# KiCad board s100_ColorMagic-1.1-006.kicad_pcb (continued)
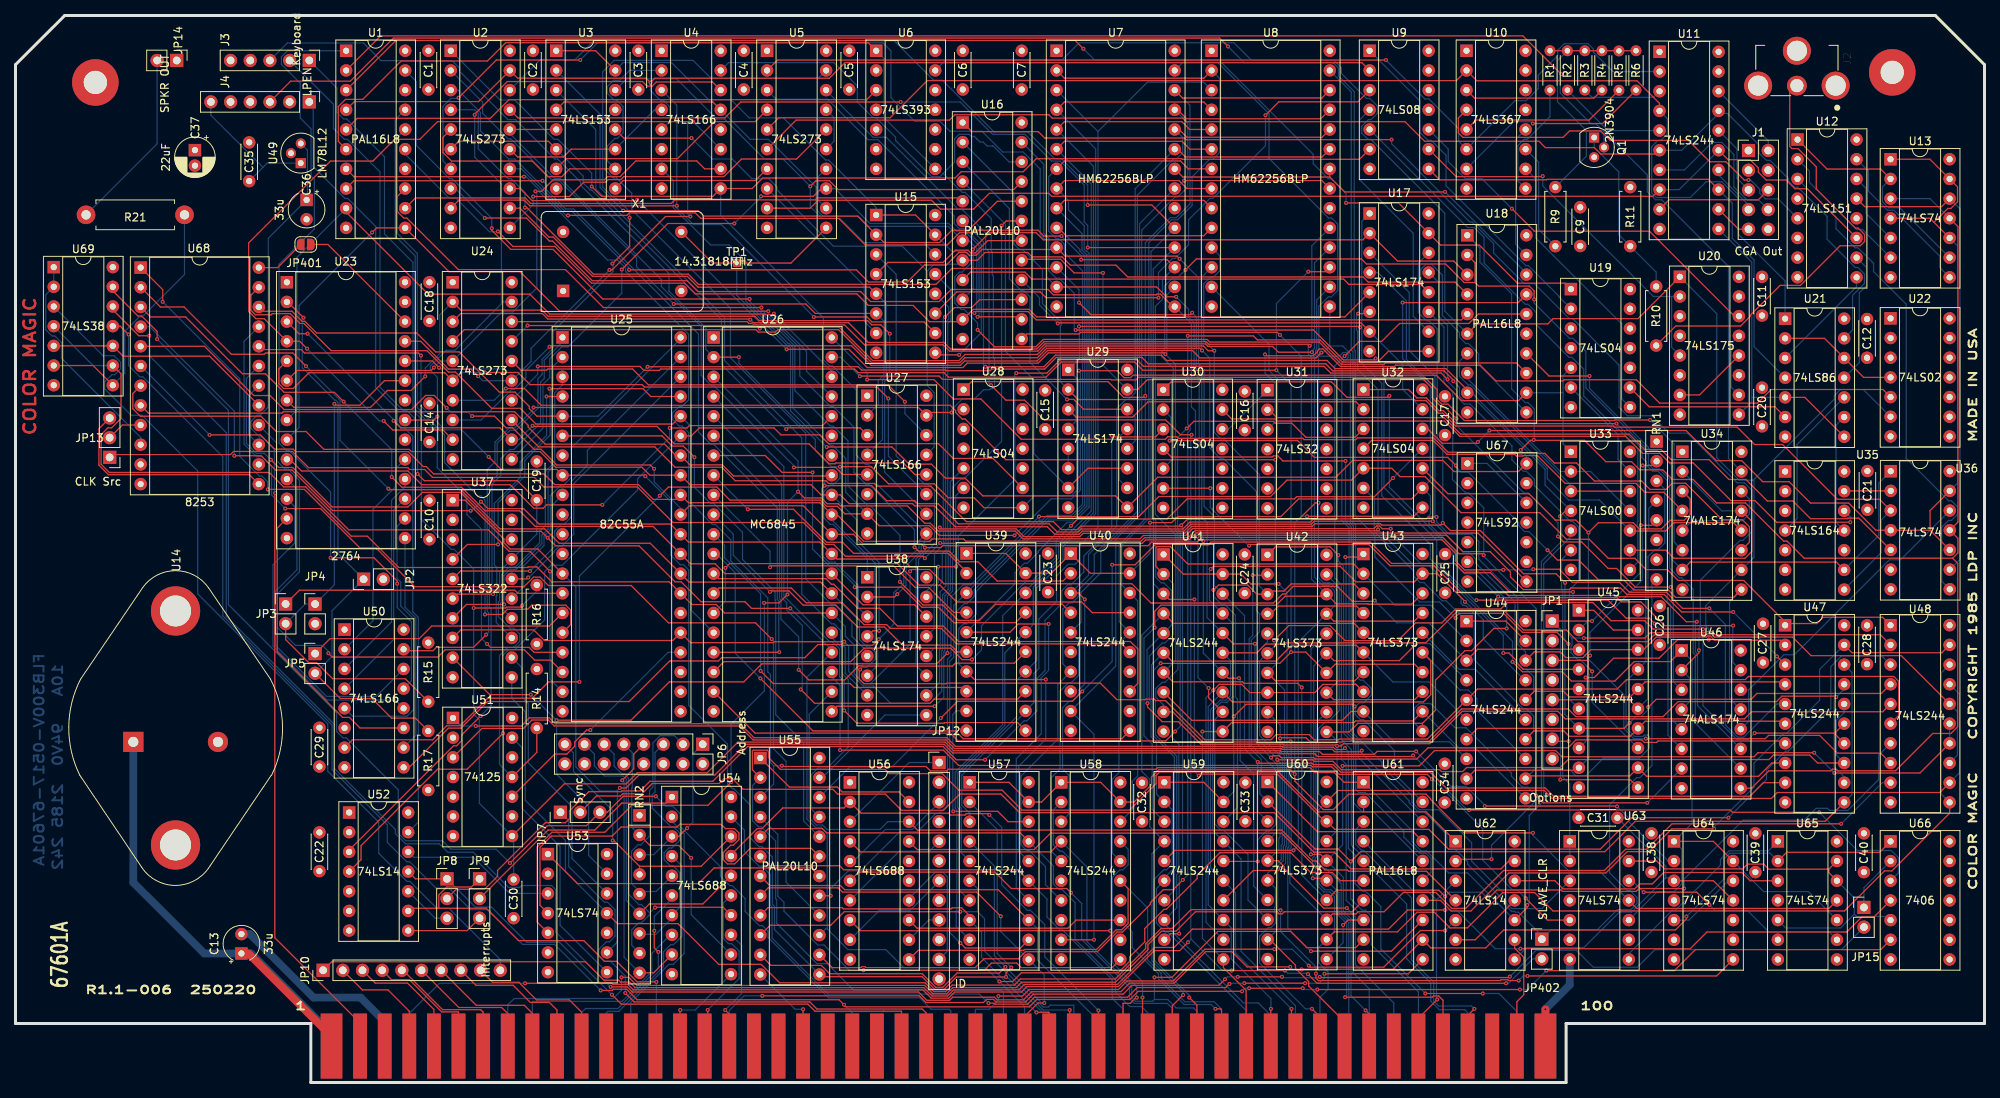
[diagram p0: board, top side]
## Routing (per net, layer and track width the routed paths; a pad name or vN(x,y) marks a point on that pad's centre or on a via; arc(x,y) is an arc through that point) (continued)
MD8: length 256.7
  Component w0.152: 134.3,107.51 124.67,107.51 123.93,106.77 123.06,106.77 122.7,107.12 121.71,107.12 120.09,105.51 117.24,105.51 115.05,103.31 110.03,103.31 108.47,104.88 v1(79.16,104.88) ; 134.3,107.51 134.55,107.51 135.41,106.65 149.83,106.65 v1(150.17,106.31) ; 134.3,107.51 U7.11 ; U47.9 225.48,38.69 223.73,36.94 198.4,36.94 197.33,38.01 184.54,38.01 182.5,40.05 170.96,40.05 169.99,41.03 167.42,41.03 167.24,41.21 160.41,41.21 v1(160.24,41.38)
  Copper w0.152: v1(150.17,106.31) 152.6,103.87 152.6,92.7 153.32,91.98 153.32,74.37 154.66,73.03 154.66,64.14 U41.18 158.54,60.25 158.54,43.08 v1(160.24,41.38) 160.23,41.37 160.23,35 161.53,33.71 ; U2.3 57.1,128.07 59.97,125.2 59.97,122.83 63.61,119.19 64.42,119.19 68.09,115.51 68.09,115.21 70.85,112.46 71.8,112.46 79.16,105.1 v1(79.16,104.88)
MD9: length 256.2
  Component w0.152: v1(161.95,41.93) 162.2,42.17 163.01,42.17 163.26,41.93 167.45,41.93 167.64,41.74 180.75,41.74 182.22,43.2 200.29,43.2 201.31,44.22 209.8,44.22 210.13,43.89 211.7,43.89 211.88,44.08 227.98,44.08 U47.7 ; v1(137.19,100.65) 138.75,99.09 151.53,99.09 v1(151.79,99.35) ; v1(159.88,56.62) 157.1,56.62 U41.16 ; v1(65.72,112.92) 65.95,112.92 74.55,104.32 86.78,104.32 88.09,103.01 118.74,103.01 120.79,105.06 134.14,105.06 U7.12
  Copper w0.152: U41.16 153.72,60 153.72,72.24 153.03,72.93 153.03,91.48 152.32,92.18 152.32,98.81 v1(151.79,99.35) ; U60.4 162.83,32.48 162.83,40.95 161.95,41.83 v1(161.95,41.93) 159.88,44 v1(159.88,56.62) ; U2.4 59.24,125.53 59.69,125.08 59.69,120.5 63.54,116.64 63.93,116.64 65.72,114.86 v1(65.72,112.92) ; v1(137.19,100.65) 137.19,102.33 U7.12
MD10: length 310.5
  Component w0.152: U7.13 147.2,102.67 148.47,101.41 v1(149.72,101.41) ; v1(57.15,127.09) 62.03,131.96 v1(72.85,131.96) ; v1(191.93,66.16) 191.93,66.16 186.91,66.16 185.79,67.28 185.79,68.26 184.01,70.05 153.4,70.05 v1(153.23,69.87) ; v1(195.79,66.24) 199.14,66.24 200.82,64.56 206.91,64.56 208.2,63.27 212.96,63.27 215.04,61.19 v1(218.5,61.19) ; v1(157.83,52.17) 156.46,52.17 U41.14
  Copper w0.152: v1(157.83,52.17) 157.98,52.02 157.98,41.54 159.72,39.8 159.72,25.35 161.53,23.55 ; U2.7 55.14,118.93 55.14,125.98 56.16,127 57.07,127 v1(57.15,127.09) ; U47.5 227.23,48.85 222.93,44.56 222.16,44.56 220.57,46.15 220.57,59.12 v1(218.5,61.19) ; v1(191.93,66.16) 195.71,66.16 v1(195.79,66.24) ; U41.14 153.23,55.4 v1(153.23,69.87) 153.23,70.37 152.7,70.91 152.7,90.93 152.04,91.59 152.04,98.05 151.32,98.78 151.32,99.81 v1(149.72,101.41) ; v1(72.85,131.96) 75.06,134.17 111.9,134.17 112.93,133.14 112.93,127.11 115.98,124.06 119.25,124.06 120.54,122.77 124.67,122.77 127.35,120.09 129.99,120.09 132.19,117.88 132.19,109.43 133.01,108.6 133.01,103.96 U7.13
MD11: length 269.5
  Component w0.152: v1(60.55,111.56) 65.91,111.56 68.88,108.59 69.28,108.59 74.4,103.48 86.63,103.48 88.03,102.08 109.02,102.08 110.31,100.79 119.14,100.79 120.7,102.35 133.21,102.35 133.9,101.66 147.14,101.66 147.23,101.75 147.69,101.75 149.3,100.14 U7.15 ; v1(221.58,60.73) 214.93,60.73 212.69,62.98 207.89,62.98 207.06,63.81 200.61,63.81 200.42,63.62 194.5,63.62 192.85,65.26 192.85,65.88 190.21,68.52 186.69,68.52 184.59,70.62 152.65,70.62 v1(152.49,70.46) ; U47.3 v1(227.22,54.99) ; U41.12 153.91,49.65 v1(153.91,50.9)
  Copper w0.152: v1(60.55,111.56) 56.74,115.38 U2.8 ; v1(153.91,50.9) 152.53,52.27 152.53,70.42 v1(152.49,70.46) 152.22,70.74 152.22,86.66 151.68,87.19 151.68,97.99 U7.15 ; v1(221.58,60.73) 227.22,55.08 v1(227.22,54.99) ; U41.12 154.71,46.83 154.71,33.35 155.54,32.53 155.89,32.53 158.99,29.43 158.99,23.54 U60.8
MD12: length 277.8
  Component w0.152: U2.13 65.09,115.38 66.65,113.82 80.11,113.82 v1(80.19,113.9) ; U41.9 149.28,47.84 153.17,43.95 164.4,43.95 v1(164.48,44.03) ; v1(148.34,94) 148.16,94.17 133.24,94.17 131.9,92.84 122.77,92.84 122.2,92.27 109.87,92.27 107.52,94.62 v1(99.47,94.62) ; v1(235.51,33.39) 213.7,33.39 210.41,30.1 207.7,30.1 204.97,27.37 191.96,27.37 187.07,22.48 185.26,22.48 183.22,24.52 179.03,24.52 176.55,22.04 173.2,22.04 172.92,21.76 169.89,21.76 U60.13
  Copper w0.152: v1(164.48,44.03) 164.56,43.95 164.56,30.3 164.4,30.15 164.4,25.75 U60.13 ; v1(235.51,33.39) 240.82,38.69 U48.9 ; U41.9 148.1,48.72 147.09,49.72 147.09,50.82 147.92,51.65 148.29,51.65 149.95,53.31 149.95,70.95 149.63,71.28 149.63,92.7 v1(148.34,94) 148.53,94.18 148.53,101.66 U7.16 ; v1(99.47,94.62) v1(80.19,113.9)
MD13: length 281.2
  Component w0.152: U41.7 149.3,51.71 158.29,51.71 158.48,51.52 165.4,51.52 v1(165.94,50.98) ; v1(184.41,24.01) 183.61,24.82 170.41,24.82 169.15,23.55 ; v1(134.93,109.24) 132.66,109.24 131.9,110 123.65,110 123.32,109.67 121.78,109.67 120.2,108.09 109.62,108.09 106.2,111.52 88.41,111.52 87.69,112.23 79.19,112.23 78.86,111.9 v1(71.27,111.9) ; v1(215.26,25.03) 209.43,25.03 209.06,24.66 199.56,24.66 199.38,24.84 191.1,24.84 v1(189.97,23.71) ; U7.17 148.57,106.19 v1(137.47,106.19)
  Copper w0.152: U2.14 65.26,117.92 67.81,115.36 67.81,115.09 71,111.9 v1(71.27,111.9) ; U41.7 149.67,54.49 149.67,70.7 147.04,73.32 147.04,100.18 147.96,101.1 147.96,103.64 U7.17 ; v1(137.47,106.19) 137.47,106.69 v1(134.93,109.24) ; v1(189.97,23.71) 189.12,24.56 184.96,24.56 v1(184.41,24.01) ; U48.7 240.34,42.24 240.34,39.1 236.36,35.12 234.02,35.12 233.75,35.39 232.27,35.39 230.76,33.87 222.87,33.87 215.26,26.26 v1(215.26,25.03) ; v1(165.94,50.98) 165.94,26.76 169.15,23.55
MD14: length 276
  Component w0.152: v1(146.03,48.95) 146.03,48.47 147.93,46.56 150.02,46.56 152.92,43.66 163.51,43.66 163.61,43.56 170.35,43.56 v1(170.49,43.43) 171.01,43.43 171.31,43.73 182.45,43.73 186.63,47.91 198.95,47.91 199.94,46.93 223.03,46.93 223.96,47.85 240.87,47.85 U48.5 ; U2.17 64.81,124.49 91.5,124.49 93.55,126.54 v1(114.19,126.54) ; U7.18 v1(138.32,107.75)
  Copper w0.152: v1(170.49,43.43) 170.49,32.51 U60.17 ; U7.18 146.76,104.98 146.76,73.07 147.09,72.74 147.09,65.2 147.82,64.47 148.15,64.47 149.11,63.52 149.11,59 U41.5 145.97,55.86 145.97,49.01 v1(146.03,48.95) ; v1(138.32,107.75) 138.32,110.6 137.86,111.06 137.86,115.83 134.77,118.92 133.66,118.92 130.22,122.36 126.04,122.36 121.86,126.54 v1(114.19,126.54)
MD15: length 284.4
  Component w0.152: v1(220.97,34.18) 208.49,34.18 204.43,30.11 184.87,30.11 182.32,32.66 170.19,32.66 169.15,33.71 168.87,33.71 162.79,39.8 152.83,39.8 v1(152.63,39.6) ; U41.3 148.83,62.34 v1(152.07,62.34) ; v1(138.32,113.25) 146.58,113.25 U7.19
  Copper w0.152: v1(152.07,62.34) 152.07,40.15 v1(152.63,39.6) ; U48.3 240.77,55.05 235.55,55.05 234.18,53.68 234.18,48.25 228.7,42.77 228.34,42.77 225.88,40.3 225.88,39.09 v1(220.97,34.18) ; U7.19 146.48,107.24 146.48,72.96 146.81,72.63 146.81,64.36 U41.3 ; U2.18 67.7,132 72.16,132 74.61,134.45 113.34,134.45 118.45,129.34 119.57,129.34 126.25,122.67 130.59,122.67 134.03,119.23 134.91,119.23 138.32,115.82 v1(138.32,113.25)
MEMCS: length 303.2
  Component w0.152: v1(76.77,12.34) 78.91,12.34 79.58,11.68 116.49,11.68 117.57,10.6 120.49,10.6 120.89,11.01 126.27,11.01 126.61,10.67 130.03,10.67 131.09,11.72 131.16,11.72 131.16,11.72 142.61,11.72 143.71,12.83 149.46,12.83 153.53,16.9 156.9,16.9 158.87,14.92 v1(164.44,14.92) ; U66.1 240.47,29.71 228.47,29.71 U65.2 ; v1(17.24,96.38) 15.89,96.38 12.55,99.72 U69.12 ; v1(165.91,14.6) 177.69,14.6 U61.12 182.58,17.37 189.66,17.37 191.98,19.69 214.13,19.69 215.55,21.11 v1(215.55,21.42)
  Copper w0.152: v1(76.77,12.34) 69.69,19.43 69.69,24.88 69.14,25.42 65.28,25.42 65.04,25.18 63.6,25.18 59.07,29.72 55.77,29.72 54.69,30.8 50.33,30.8 49.01,32.12 49.01,32.66 41.12,40.55 41.12,46.24 27.18,60.17 27.18,83.88 17.24,93.82 v1(17.24,96.38) ; v1(215.55,21.42) 220.36,26.24 220.36,28.81 221.15,29.6 226.33,29.6 U65.2 ; v1(165.91,14.6) 164.76,14.6 v1(164.44,14.92)
MUX_G: length 20.6
  Component w0.152: 77.37,115.38 78.4,116.41 95.44,116.41 U5.7
MUX_I: length 55.1
  Component w0.152: v1(121.73,93.91) 118.91,93.91 U15.9
  Copper w0.152: v1(121.73,93.91) 124.58,96.76 124.58,108.13 122.55,110.17 121.79,110.17 121.09,110.87 121.09,111.85 111.26,121.68 109.97,121.68 104.74,126.9 98.12,126.9 U5.3
MUX_R: length 30.4
  Component w0.152: U5.4 95.42,124.01 90.16,124.01 85.39,119.23 71.07,119.23 U3.7
MUXA: length 81.3
  Component w0.152: v1(102.53,115.65) 103.26,116.38 104.99,116.38 106.12,115.24 128.77,115.24 U16.21
  Copper w0.152: 77.37,128.07 78.84,129.54 85.26,129.54 90.47,124.33 91.46,124.33 96.61,119.19 99,119.19 v1(102.53,115.65) 102.53,113.02 104.06,111.5 106.36,111.5 109.47,108.39 117.13,108.39 U15.14
MUXB: length 77
  Component w0.152: U16.20 126.66,113.73 122.91,109.99 120.79,109.99 119.21,108.41 112.03,108.41 U15.2 108.62,111.82 88.78,111.82 88.07,112.52 v1(78.41,112.52)
  Copper w0.152: v1(78.41,112.52) 75.41,115.51 75.41,124.96 U3.2
MUXBLUE: length 24.5
  Copper w0.152: U5.8 109.49,102.84 109.49,98.25 U15.7
NEW_RESET: length 149
  Component w0.152: v1(77,105.68) 79.22,107.9 v1(79.22,111.62) ; U52.3 43.04,29.99 56.52,43.46 56.9,43.46 57.54,44.11 57.54,44.84 v1(60,47.3)
  Copper w0.152: v1(60,47.3) 61.35,48.65 61.35,61.1 61.14,61.31 61.14,77.33 62.13,78.33 62.13,82.51 63.8,84.18 64.56,84.18 67.4,87.02 67.4,90.84 67.92,91.36 67.92,93.34 69.36,94.77 69.36,96.95 77.08,104.68 77.08,105.6 v1(77,105.68) ; v1(79.22,111.62) 79.22,112.39 77.47,114.14 77.19,114.14 75.74,115.58 75.74,130.41 77.24,131.91 87.4,131.91 89.73,129.58 103.54,129.58 U5.19
OVERSCAN_B: length 53.6
  Component w0.152: v1(113.75,63.02) 113.4,62.67 U38.2
  Copper w0.152: U15.3 113.6,104.3 113.6,80.88 117.29,77.2 117.72,77.2 118.55,76.37 118.55,70.41 117.95,69.81 117.38,69.81 116.85,69.28 116.85,68.65 114.87,66.68 114.87,64.14 v1(113.75,63.02)
OVERSCAN_G: length 85.5
  Copper w0.152: U38.5 109.88,55.6 107.89,57.58 107.89,59.42 105.58,61.74 105.2,61.74 101.94,65 101.94,83.81 92.23,93.51 92.23,99.91 79.5,112.64 79.5,114.75 77.51,116.74 77.12,116.74 76.08,117.79 76.08,124.24 77.37,125.53
OVERSCAN_I: length 56.6
  Copper w0.152: U38.10 119.2,51.66 119.2,55.84 119.28,55.93 119.28,63.33 120.02,64.07 120.02,68.29 120.31,68.59 120.31,71.15 120.25,71.21 120.25,97.99 120.66,98.39 120.66,102.32 U15.13
OVERSCAN_R: length 94.9
  Copper w0.152: U38.7 107.03,52.82 107.03,56.12 106.45,56.7 106.45,58.33 105.58,59.2 105.26,59.2 101.43,63.03 101.43,83.2 91.47,93.16 91.47,98.71 74.85,115.33 74.85,122.97 U3.3
PB6: length 29.8
  Component w0.152: U51.10 69.56,42.38 71.12,42.38 72.13,43.4 72.13,43.95 73.67,45.49 v1(74.15,45.49)
  Copper w0.152: v1(74.15,45.49) 84.18,55.52 U25.24
PB7: length 100.9
  Component w0.152: U37.8 57.43,58.41 66.85,58.41 68.22,57.04 84.78,57.04 U25.25 87.09,56.77 97.74,56.77 97.86,56.89 v1(106.91,56.89)
  Copper w0.152: v1(106.91,56.89) 107.48,56.32 107.48,53.04 109.34,51.17 110.65,51.17 112.87,48.96 117.98,48.96 119.48,50.46 119.48,55.73 119.6,55.84 119.6,62.92 120.32,63.64 120.32,68.19 120.59,68.47 120.59,77.56 U28.5
PC4: length 249.5
  Component w0.152: U37.1 58,75.15 63.01,70.14 63.01,69.66 63.82,68.85 67.38,68.85 U25.13 ; v1(232.68,34.87) 221.5,34.87 221.19,35.18 v1(187.52,35.18) ; v1(180.29,42.2) 180.16,42.07 167.96,42.07 167.6,42.43 163.15,42.43 163.05,42.54 120.91,42.54 119.79,43.65 94.18,43.65 90.2,39.66 80.4,39.66 78.75,38.01 v1(77.96,38.01)
  Copper w0.152: 77.57,37.63 75.4,37.63 72.29,40.74 72.29,63.95 U25.13 ; 77.57,37.63 77.96,38.01 v1(77.96,38.01) ; 77.57,37.63 77.64,37.55 77.64,18.12 U53.9 ; U66.3 242.9,27.06 242.9,29.01 241.96,29.95 237.6,29.95 v1(232.68,34.87) ; v1(187.52,35.18) 187.25,35.18 184.66,37.77 184.66,37.88 180.33,42.2 v1(180.29,42.2)
PD0: length 295.7
  Component w0.152: U44.18 195.92,55.58 199.24,55.58 199.97,54.85 202.21,54.85 203.22,55.86 U45.18 210.03,55.86 211.65,57.49 218.12,57.49 218.25,57.62 218.63,57.62 219.16,57.08 227.67,57.08 U47.2 ; v1(183.31,72.98) 182.24,72.98 181.99,72.74 167.44,72.74 167.03,72.33 151.5,72.33 150.61,71.44 137.48,71.44 137.1,71.05 134.38,71.05 133.33,72.1 121.62,72.1 119.02,74.71 116.38,74.71 116,75.09 112.37,75.09 110.44,77.03 v1(104.37,77.03) ; U68.8 17.15,86.38 34.37,86.38 34.55,86.57 64.38,86.57 66.14,84.81 66.14,84.58 68.34,82.38 83.73,82.38 85.2,80.92 U25.34 87,79.71 91.18,79.71 92.62,78.28 105.2,78.28 U26.33
  Copper w0.152: U44.18 194.8,55.58 193.79,56.58 193.79,62.52 188.77,67.54 188.77,69.79 187.8,70.76 184.92,70.76 183.31,72.37 v1(183.31,72.98) 183.11,73.18 183.11,91.13 179.79,94.45 179.79,101.97 U17.3 ; U26.33 104.37,77.44 v1(104.37,77.03) 103.98,76.65 103.98,68.09 104.91,67.16 105.69,67.16 108.73,64.13 108.73,61.28 U38.3
PD1: length 301.2
  Component w0.152: U68.7 15.13,88.92 15.13,86.95 16.09,85.99 31.66,85.99 33.64,84.01 37.49,84.01 39.79,81.71 50.78,81.71 51.06,81.43 67.68,81.43 69.7,79.4 80.81,79.4 81.84,78.38 U25.33 87.03,77.15 102.62,77.15 103.93,75.84 U26.32 106.4,75.84 107.52,74.71 115.71,74.71 116,74.42 118.54,74.42 121.23,71.73 133.1,71.73 134.08,70.75 137.19,70.75 137.6,71.16 150.72,71.16 151.62,72.05 167.15,72.05 167.53,72.44 v1(182.83,72.44) ; U44.16 195.92,50.5 199.69,50.5 200.42,49.76 208.28,49.76 U45.16 210.22,51.7 227.97,51.7 U47.4 ; U38.4 110.59,58.29 v1(111.4,58.29)
  Copper w0.152: U17.4 175.75,104.53 179.42,100.87 179.42,93.33 182.83,89.92 v1(182.83,72.44) 186.8,68.47 187.45,68.47 188.38,67.54 188.38,67.01 193.44,61.96 193.44,55.97 193.69,55.72 193.69,54.15 194.52,53.32 194.91,53.32 195.85,52.38 195.85,50.43 U44.16 ; U26.32 108.51,72.63 108.51,70.01 111.4,67.12 v1(111.4,58.29)
PD2: length 297.4
  Component w0.152: v1(173.21,99.24) 174.46,99.24 U17.6 ; v1(175.77,71.37) 175.61,71.21 152.16,71.21 151.27,70.31 145.65,70.31 145.2,69.86 122.59,69.86 122.3,70.15 118.22,70.15 117.92,69.84 109.42,69.84 105.97,73.3 U26.31 103.77,74.82 86.81,74.82 U25.32 85.21,75.25 82.27,75.25 80.36,77.16 69.55,77.16 68.17,78.55 53.94,78.55 52.99,79.49 52.59,79.49 50.66,81.43 36.13,81.43 35.81,81.74 33.43,81.74 31.59,83.58 v1(25.04,83.58) ; U44.14 195.87,45.37 199.74,45.37 200.43,44.68 208.28,44.68 U45.14 210.23,46.63 227.97,46.63 U47.6
  Copper w0.152: v1(25.04,83.58) U68.6 ; v1(173.21,99.24) 172.99,99.01 172.99,97.13 173.14,96.97 173.14,92.06 175.77,89.43 v1(175.77,71.37) 180.44,66.7 182.41,66.7 186.47,62.63 186.47,61.84 186.75,61.57 187.07,61.57 188.19,60.45 188.19,54.53 194.48,48.24 194.88,48.24 195.84,47.28 195.84,45.34 U44.14 ; U38.6 111.22,53.85 111.22,55.84 110.89,56.18 110.89,67.04 105.3,72.62 U26.31
PD3: length 309
  Component w0.152: U25.31 86.94,74.43 101.62,74.43 U26.30 108.09,70.75 109.31,69.54 116.81,69.54 v1(117.31,69.04) 119.35,69.04 119.59,69.29 146.1,69.29 146.57,69.75 152.44,69.75 153.03,70.34 184.11,70.34 186.21,68.24 189.22,68.24 v1(189.4,68.06) ; v1(58.9,86) 61.78,86 63.29,84.49 64.13,84.49 66.89,81.73 67.79,81.73 69.82,79.7 81.89,79.7 v1(82.38,79.2) ; U47.8 226.56,41.24 224.84,39.51 210.41,39.51 U45.12 208.25,39.57 195.15,39.57 U44.12 ; v1(55.62,87.07) 54.01,88.67 52.91,88.67 51.09,86.85 34.65,86.85 32.84,88.66 30.73,88.66 24.38,95.01 U68.5
  Copper w0.152: U44.12 196.17,40.59 196.17,61.15 189.4,67.92 v1(189.4,68.06) 189.4,74.16 187.47,76.09 187.09,76.09 185.36,77.82 185.36,79.8 185.41,79.86 185.41,89.14 184.27,90.28 184.27,97.48 U17.11 ; v1(117.31,69.04) 117.31,68.71 116.17,67.57 116.17,53.84 U38.11 ; v1(82.38,79.2) 82.38,77.53 85.8,74.11 U25.31 ; v1(58.9,86) 58.4,86.51 56.18,86.51 v1(55.62,87.07)
PD4: length 350
  Component w0.152: U45.9 201.36,40.3 188.26,40.3 U44.9 ; v1(121.35,66.56) v1(119.03,66.56) 115.4,66.56 114.41,67.55 105.96,67.55 U26.29 103.77,69.75 86.81,69.75 U25.30 84.48,72.07 67.54,72.07 65.55,74.06 60.94,74.06 v1(60.04,74.96) ; v1(28.23,80.89) 31.69,80.89 33.53,79.05 35.67,79.05 40.91,73.81 58.7,73.81 v1(58.71,73.79) ; U48.2 240.56,57.79 219.25,57.79 218.86,58.18 218.01,58.18 217.88,58.05 210.88,58.05 210.19,57.36 v1(202.32,57.36) ; v1(184.73,90.74) 183.91,91.56 169.66,91.56 168.79,92.43 145.51,92.43 144.65,93.29 134.79,93.29 133.05,91.55 v1(129.11,91.55)
  Copper w0.152: U45.9 203,41.94 203,52.67 202.93,52.74 202.93,53.5 201.84,54.59 201.52,54.59 200.66,55.45 200.66,56.3 200.79,56.43 200.79,57.36 ; 200.79,57.36 v1(202.32,57.36) ; 200.79,57.36 200.46,57.69 200.46,63.56 201.65,64.76 201.65,71.65 200.9,72.41 200.59,72.41 195.93,77.07 195.93,77.86 194.9,78.89 194.5,78.89 193.04,80.35 193.04,82.16 187.64,87.56 186.89,87.56 185.94,88.5 185.94,89.29 184.73,90.49 v1(184.73,90.74) 184.73,97.72 183.61,98.84 183.61,103.23 U17.13 ; v1(121.35,66.56) 121.62,66.83 121.62,70.53 128.91,77.83 128.91,91.36 v1(129.11,91.55) ; v1(119.03,66.56) 119.03,64.54 118.51,64.02 118.51,58.59 U38.13 ; v1(28.23,80.89) 28.23,86.63 17.31,97.55 U68.4 ; v1(58.71,73.79) 58.87,73.79 v1(60.04,74.96)
PD5: length 332.5
  Component w0.152: v1(48.53,78.15) 49.86,76.82 57.52,76.82 60.57,73.78 65.04,73.78 67.05,71.76 82.25,71.76 U25.29 87.07,66.95 90.25,66.95 91.52,65.67 U26.28 109.32,61.66 115.97,61.66 U38.14 ; v1(208.22,46.42) 207.5,45.7 U45.7 188.58,45.7 U44.7 ; v1(199.9,64.49) 198.73,65.66 194.53,65.66 188.95,71.24 185.09,71.24 v1(184.12,72.21) 183.84,71.93 176.25,71.93 176.08,72.11 167.6,72.11 167.26,71.77 151.74,71.77 150.84,70.87 137.72,70.87 137.29,70.45 130.07,70.45 129.08,71.45 119.41,71.45 v1(119.23,71.63) ; v1(42.33,87.87) 41.13,89.07 34.65,89.07 32.25,91.46 29.29,91.46 21.95,98.81 17.43,98.81 U68.3 ; v1(210.62,48.43) 211.64,49.45 223.88,49.45 224.64,50.21 240.69,50.21 U48.4
  Copper w0.152: v1(184.12,72.21) 184.12,82.42 183.39,83.14 183.39,97.26 182.34,98.31 182.02,98.31 180.98,99.35 180.98,105.76 U17.14 ; U45.7 199.87,47.51 199.87,64.46 v1(199.9,64.49) ; v1(42.33,87.87) 48.53,81.67 v1(48.53,78.15) ; v1(208.22,46.42) 209.03,47.23 209.72,47.23 210.62,48.14 v1(210.62,48.43) ; v1(119.23,71.63) 119.23,70.24 116.49,67.5 116.49,61.13 U38.14
PD6: length 271
  Component w0.152: U48.6 242.92,47.36 242.92,51.78 242.29,52.4 223.56,52.4 223.16,52 207.82,52 206.6,50.78 U45.5 188.58,50.78 U44.5 182.13,44.33 170.75,44.33 170.66,44.24 167.54,44.24 166.87,44.9 162.62,44.9 161.96,44.23 153.4,44.23 148.35,49.28 147.08,49.28 146.89,49.48 145.83,49.48 145.75,49.4 142.08,49.4 139.95,51.54 120.15,51.54 120.09,51.48 109.43,51.48 108.84,52.06 108.84,53.19 v1(108.96,53.31) ; v1(48.11,76.64) 48.23,76.51 57.44,76.51 62.5,71.45 68.27,71.45 70.13,69.59 81.88,69.59 U25.28 86.89,64.58 103.85,64.58 U26.27 ; v1(37.48,92.45) 35.78,94.15 32.25,94.15 32.09,93.98 27.84,93.98 21.74,100.09 18.69,100.09 U68.2
  Copper w0.152: v1(48.11,76.64) 41.87,82.87 41.87,88.05 v1(37.48,92.45) ; v1(108.96,53.31) 109.23,53.58 109.83,53.58 110.91,54.66 110.91,55.51 110.22,56.2 109.85,56.2 108.87,57.17 108.87,59.56 U26.27
PD7: length 286.2
  Component w0.152: v1(32.55,76.55) 37.27,76.55 43.31,70.51 45.38,70.51 49.43,66.46 66.07,66.46 66.15,66.54 67.26,66.54 69.18,64.62 84.32,64.62 U25.27 87.25,61.68 90.39,61.68 91.48,60.59 U26.26 ; U45.3 201.63,55.91 188.63,55.91 U44.3 ; v1(210.32,44.38) 225.73,44.38 226.15,44.8 232.73,44.8 235.02,42.51 240.61,42.51 U48.8 ; v1(18.99,100.76) 18.99,102.33 U68.1 ; v1(175.33,62.19) 175.22,62.09 172.45,62.09 170.51,64.03 164.83,64.03 163.84,63.04 163.45,63.04 162.28,61.88 146.49,61.88 144,64.37 119.76,64.37 117.92,66.21 115.62,66.21 v1(115.4,65.99)
  Copper w0.152: v1(115.4,65.99) 115.4,56.59 110.29,51.48 109.46,51.48 108.19,52.75 108.19,56.47 107.05,57.6 107.05,58.85 U26.26 ; v1(18.99,100.76) 28.93,90.81 28.93,80.8 31.46,78.27 31.78,78.27 32.55,77.49 v1(32.55,76.55) ; v1(210.32,44.38) 208.76,44.38 207.47,45.66 207.47,50.07 U45.3 ; U44.3 182.33,59.31 178.21,59.31 v1(175.33,62.19)
pDBIN: length 166.7
  Component w0.152: U62.1 181.97,34.93 173.9,34.93 ; U61.2 173.9,34.93 ; 173.9,34.93 168.07,34.93 162.92,40.08 147.59,40.08 147.13,39.62 147.13,38.57 143.71,35.15 129.85,35.15 127.26,37.73 121.69,37.73 119.56,39.86 112.72,39.86 112.17,40.41 98.67,40.41 97.13,41.95 97.13,42.72 96.97,42.89 95.16,42.89 95.06,42.79 95.06,40.36 U55.2
  Copper w0.152: P1.78 127.45,5.14 127.45,11.6 127.15,11.9 108.15,11.9 104.7,15.34 103.39,15.34 98.2,20.53 98.2,23.59 98.06,23.73 98.06,31.16 96.23,32.99 95.87,32.99 95.07,33.79 95.07,38.33 U55.2
PHI: length 75.6
  Component w0.152: P1.24 114.3,9.15 114.25,9.2 112,9.2 112,9.2 103.13,9.2 102.22,10.11 78.15,10.11 v1(76.94,11.32) ; JP8.1 51.6,26.28 U52.11
  Copper w0.152: v1(76.94,11.32) 70.15,18.11 65.93,18.11 61.4,22.64 59.3,22.64 JP8.1
POC*: length 171.1
  Component w0.152: v1(189.28,11.49) v1(181.88,11.49) ; v1(59.38,46.01) 65.25,46.01 66.3,47.06 68.85,47.06 69.61,46.3 93.45,46.3 95.26,44.49 120.14,44.49 121.26,43.38 163.4,43.38 163.5,43.28 169.99,43.28 170.29,42.97 171.32,42.97 v1(171.5,43.15)
  Copper w0.152: v1(171.5,43.15) 171.94,42.71 171.94,30.22 172.81,29.34 172.81,25.66 173.8,24.68 174.15,24.68 176.13,22.7 176.13,17.23 v1(181.88,11.49) ; U51.1 57.48,46.01 v1(59.38,46.01) ; P1.99 193.68,9.18 191.36,11.49 v1(189.28,11.49)
PORTC2: length 83.1
  Component w0.152: v1(60.57,60.4) 62.79,60.4 63.46,61.07 66.06,61.07 66.59,61.6 70.99,61.6 71.62,60.96 71.62,59.12 U25.16
  Copper w0.152: U1.16 49.26,121.99 49.26,109.57 51.83,106.99 51.83,87.09 55.34,83.58 55.34,80 59.65,75.7 60.03,75.7 60.57,75.16 v1(60.57,60.4)
PORTC3: length 84.6
  Component w0.152: U25.17 66.9,55.52 66.27,56.15 61.27,56.15 v1(60.82,56.6)
  Copper w0.152: v1(60.82,56.6) 60.1,57.32 60.1,71.42 58.23,73.29 58.23,75.52 54.4,79.35 54.4,84.05 51.55,86.9 51.55,106.68 48.97,109.26 48.97,124.24 U1.17
PRDY: length 294.4
  Component w0.152: U69.11 13.51,97.61 v1(14.59,96.53) ; v1(158.23,11.77) 144.81,11.77 143.76,10.72 131.74,10.72 130.78,9.77 107.15,9.77 v1(106.89,10.03) 106.23,10.68 80.18,10.68 78.83,12.04 77.11,12.04 76.96,11.88 v1(75.49,11.88) ; v1(167.93,12) v1(194.08,12) ; v1(197.48,14.44) 213.99,14.44 216.7,17.15 240.61,17.15 241.88,18.42 ; v1(166.05,12.16) v1(159.14,12.16)
  Copper w0.152: v1(75.49,11.88) 69.55,17.82 65.41,17.82 60.92,22.31 58.7,22.31 55.9,25.11 54.21,25.11 50.83,28.5 50.46,28.5 47.96,30.99 47.96,33.26 40.84,40.38 40.84,46.12 26.74,60.22 26.74,80.76 16.43,91.07 16.04,91.07 14.59,92.53 v1(14.59,96.53) ; v1(159.14,12.16) 158.62,12.16 v1(158.23,11.77) ; P1.72 107.95,8.96 v1(106.89,10.03) ; v1(167.93,12) 166.21,12 v1(166.05,12.16) ; v1(197.48,14.44) 195.03,12 v1(194.08,12)
pSTVAL: length 73.6
  Component w0.152: v1(78.66,11.55) 79.81,10.4 102.47,10.4 103.39,9.48 116.97,9.48 117.48,8.97 P1.25
  Copper w0.152: JP7.1 71.37,33.81 71.37,27.87 75.97,23.26 76.38,23.26 77.34,22.3 77.34,18.87 76.62,18.15 76.22,18.15 75.22,17.15 75.22,16.35 75.94,15.64 76.75,15.64 78.66,13.73 v1(78.66,11.55)
pSYNC: length 181.9
  Component w0.152: v1(18.27,95.94) 18.27,96.93 16.28,98.92 15.8,98.92 12.55,102.17 U69.13 ; v1(82.6,36.94) 78.41,36.94 76.34,34.88 JP7.3 73.64,33.14 68.61,33.14 v1(63.78,28.32)
  Copper w0.152: v1(82.6,36.94) 83.87,35.67 84.76,35.67 85.75,34.68 85.75,33.04 90.94,27.85 90.94,26.62 92.15,25.41 92.46,25.41 94.12,23.75 94.12,22.09 95.97,20.24 96.35,20.24 97.09,19.51 97.09,18.73 104.87,10.94 116.62,10.94 118.1,9.46 120.44,9.46 120.65,9.25 P1.76 ; v1(18.27,95.94) 27.47,86.74 27.47,61.67 41.42,47.72 41.42,45.31 42.25,44.49 42.66,44.49 49.37,37.78 49.37,32.16 50.34,31.2 55.08,31.2 56.17,30.11 61.99,30.11 v1(63.78,28.32)
PU_RN1_8: length 216.7
  Component w0.152: U51.3 60.16,45.69 65.53,45.69 66.62,46.78 68.73,46.78 69.49,46.02 93.34,46.02 95.14,44.21 120.03,44.21 121.14,43.1 163.28,43.1 163.38,43 169.87,43 170.18,42.69 173.51,42.69 v1(173.66,42.84)
  Copper w0.152: 197.12,18.72 198.09,19.69 204.02,19.69 206.65,22.31 207,22.31 207,22.31 207.66,22.31 207.66,22.32 208.38,22.32 209.17,23.1 209.17,23.9 208.29,24.77 207.93,24.77 205.63,27.06 205.63,35.85 209.13,39.35 209.55,39.35 211.09,40.89 211.09,58.88 211.02,58.95 211.02,59.01 211,59.03 211,59.41 211.02,59.43 211.02,60.28 211.09,60.35 211.09,64.33 RN1.8 ; 197.12,18.72 JP402.1 ; 197.12,18.72 193.86,21.99 193.48,21.99 193.36,22.1 192.97,22.1 191.94,23.13 191.94,23.34 191.79,23.49 191.79,23.68 191.19,24.28 191.19,24.3 187.32,28.18 187.32,28.52 185.73,30.1 184.85,30.1 184.64,30.3 184.64,32.01 181.73,34.92 180.99,34.92 179.77,36.14 179.77,36.38 173.66,42.5 v1(173.66,42.84)
pWR*: length 73.6
  Component w0.152: v1(126.8,11.16) 129.9,11.16 130.74,12 142.29,12 143.39,13.11 149.35,13.11 153.44,17.2 v1(162.4,17.2) ; v1(184.43,19.61) 181.23,19.61 176.5,14.88 167.02,14.88 v1(166.82,15.08)
  Copper w0.152: v1(162.4,17.2) 164.7,17.2 v1(166.82,15.08) ; P1.77 123.83,9.38 123.9,9.46 125.59,9.46 126.8,10.66 v1(126.8,11.16) ; U62.5 v1(184.43,19.61)
Q2: length 2.5
  Copper w0.152: U29.6 U29.5
Q3: length 53.9
  Component w0.152: U29.11 138.34,79.27 U29.7
  Copper w0.152: U16.4 127.69,110.76 127.69,94.36 131.36,90.7 131.36,81.17 U29.7
Q4: length 8.5
  Copper w0.152: U29.13 142.39,83.32 142.39,77.76 U29.10
Q5: length 50.6
  Component w0.152: U29.14 137.78,86.89 136.51,88.16 v1(135.65,88.16)
  Copper w0.152: v1(135.65,88.16) 130.87,92.94 130.87,101.4 130.06,102.21 129.73,102.21 128.21,103.73 128.21,112.79 U16.3 ; U29.14 144.43,85.88 144.43,82.82 U29.12
Q6: length 125.5
  Component w0.152: 143.42,89.43 144.75,89.43 146.03,90.72 181.66,90.72 182.76,89.62 182.76,88.37 184,87.13 184.42,87.13 v1(185.87,85.68) ; v1(140.28,104.49) 136.57,104.49 134.81,106.25 129.93,106.25 U16.17 ; v1(198.98,70.47) 199.7,69.76 202.04,69.76 205.46,66.34 206.54,66.34 208.94,63.93 v1(213.53,63.93)